# KiCad board panel-74pad-70pin-mezzanine.kicad_pcb
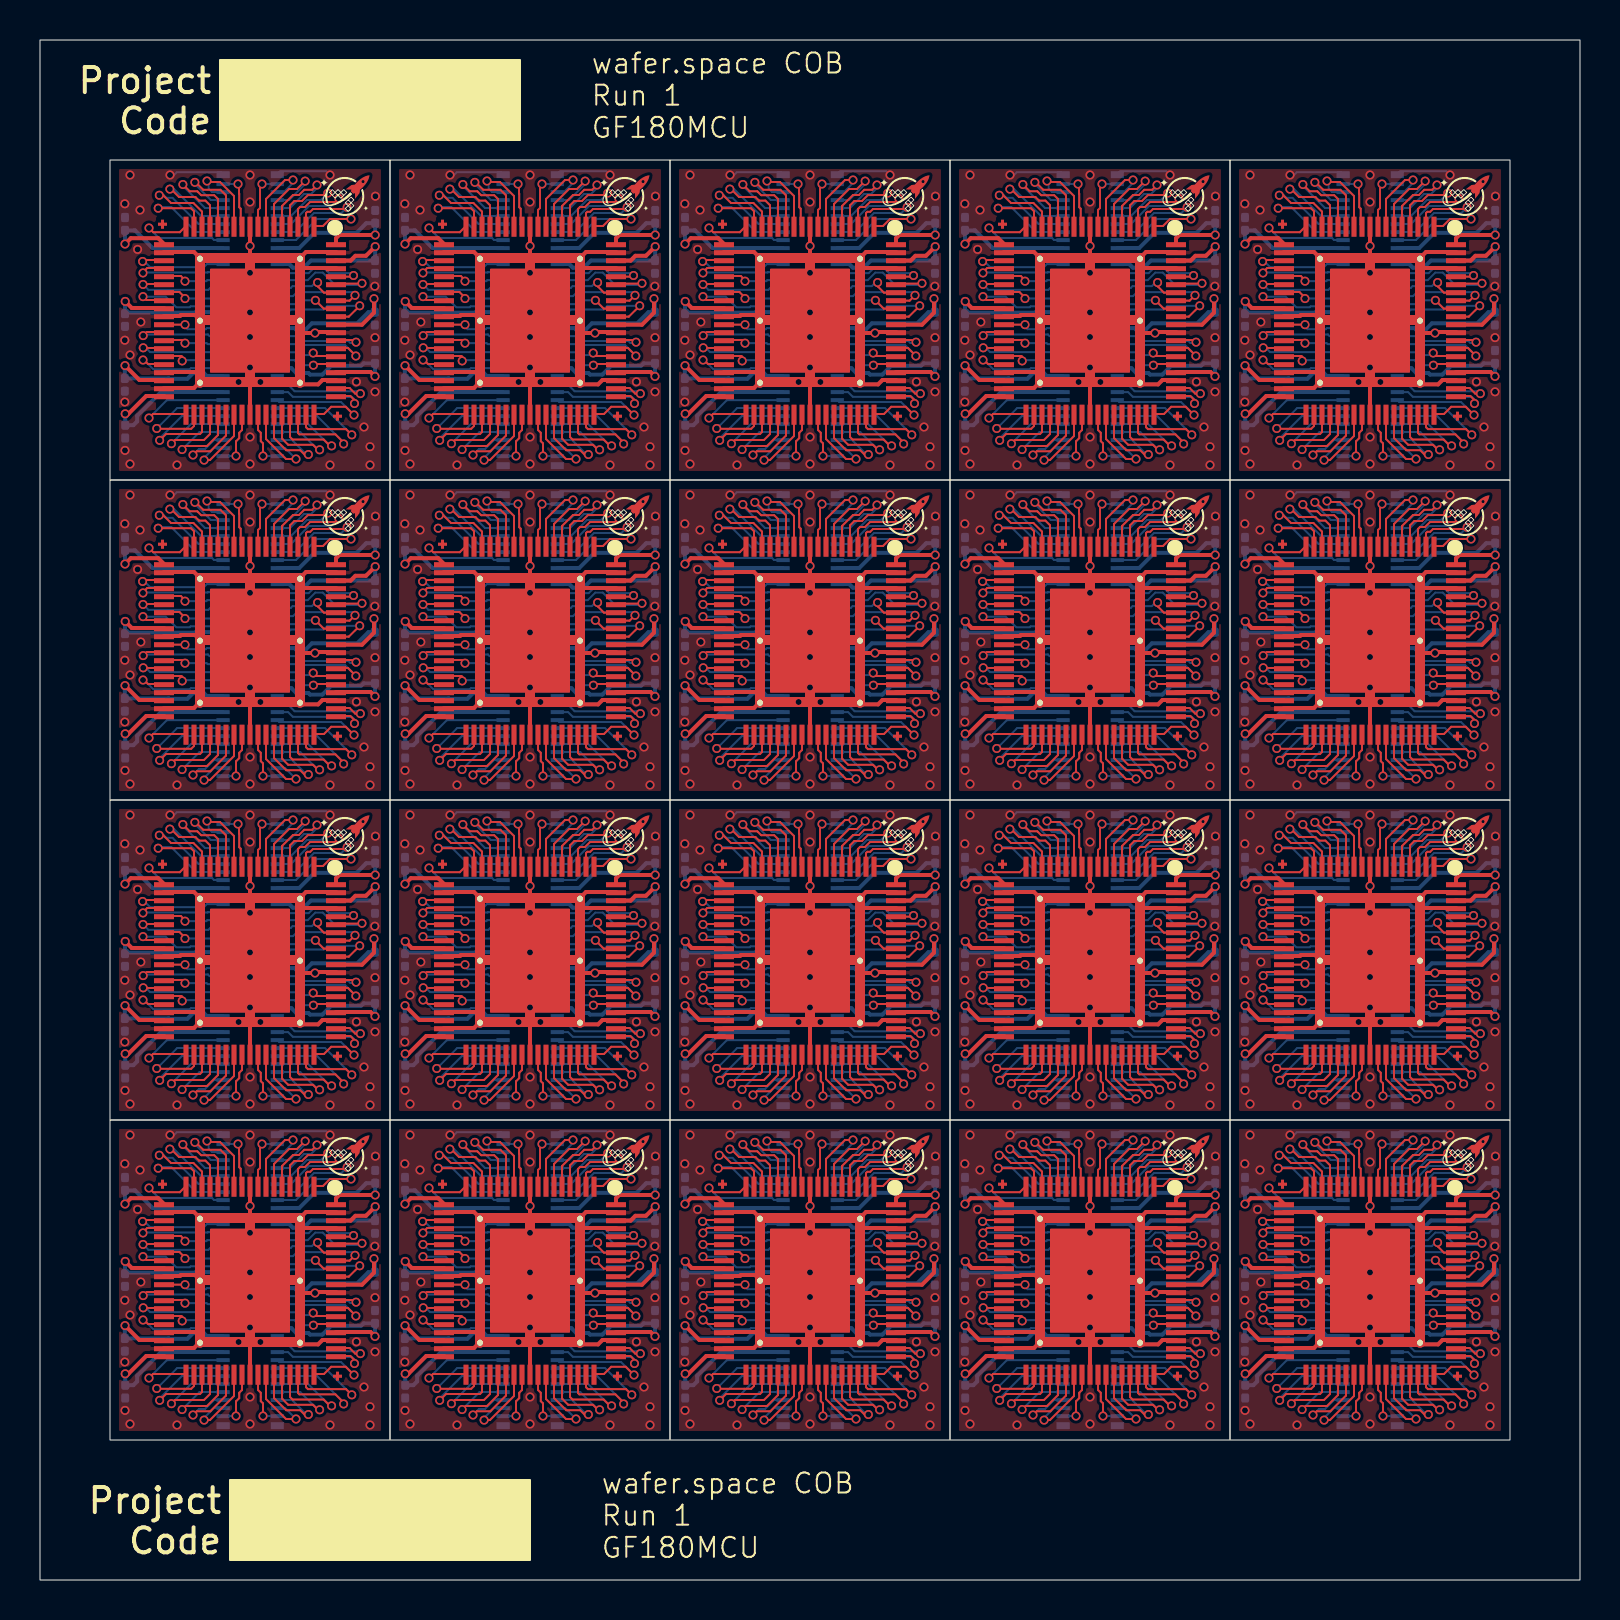
[diagram p0: board, top side]
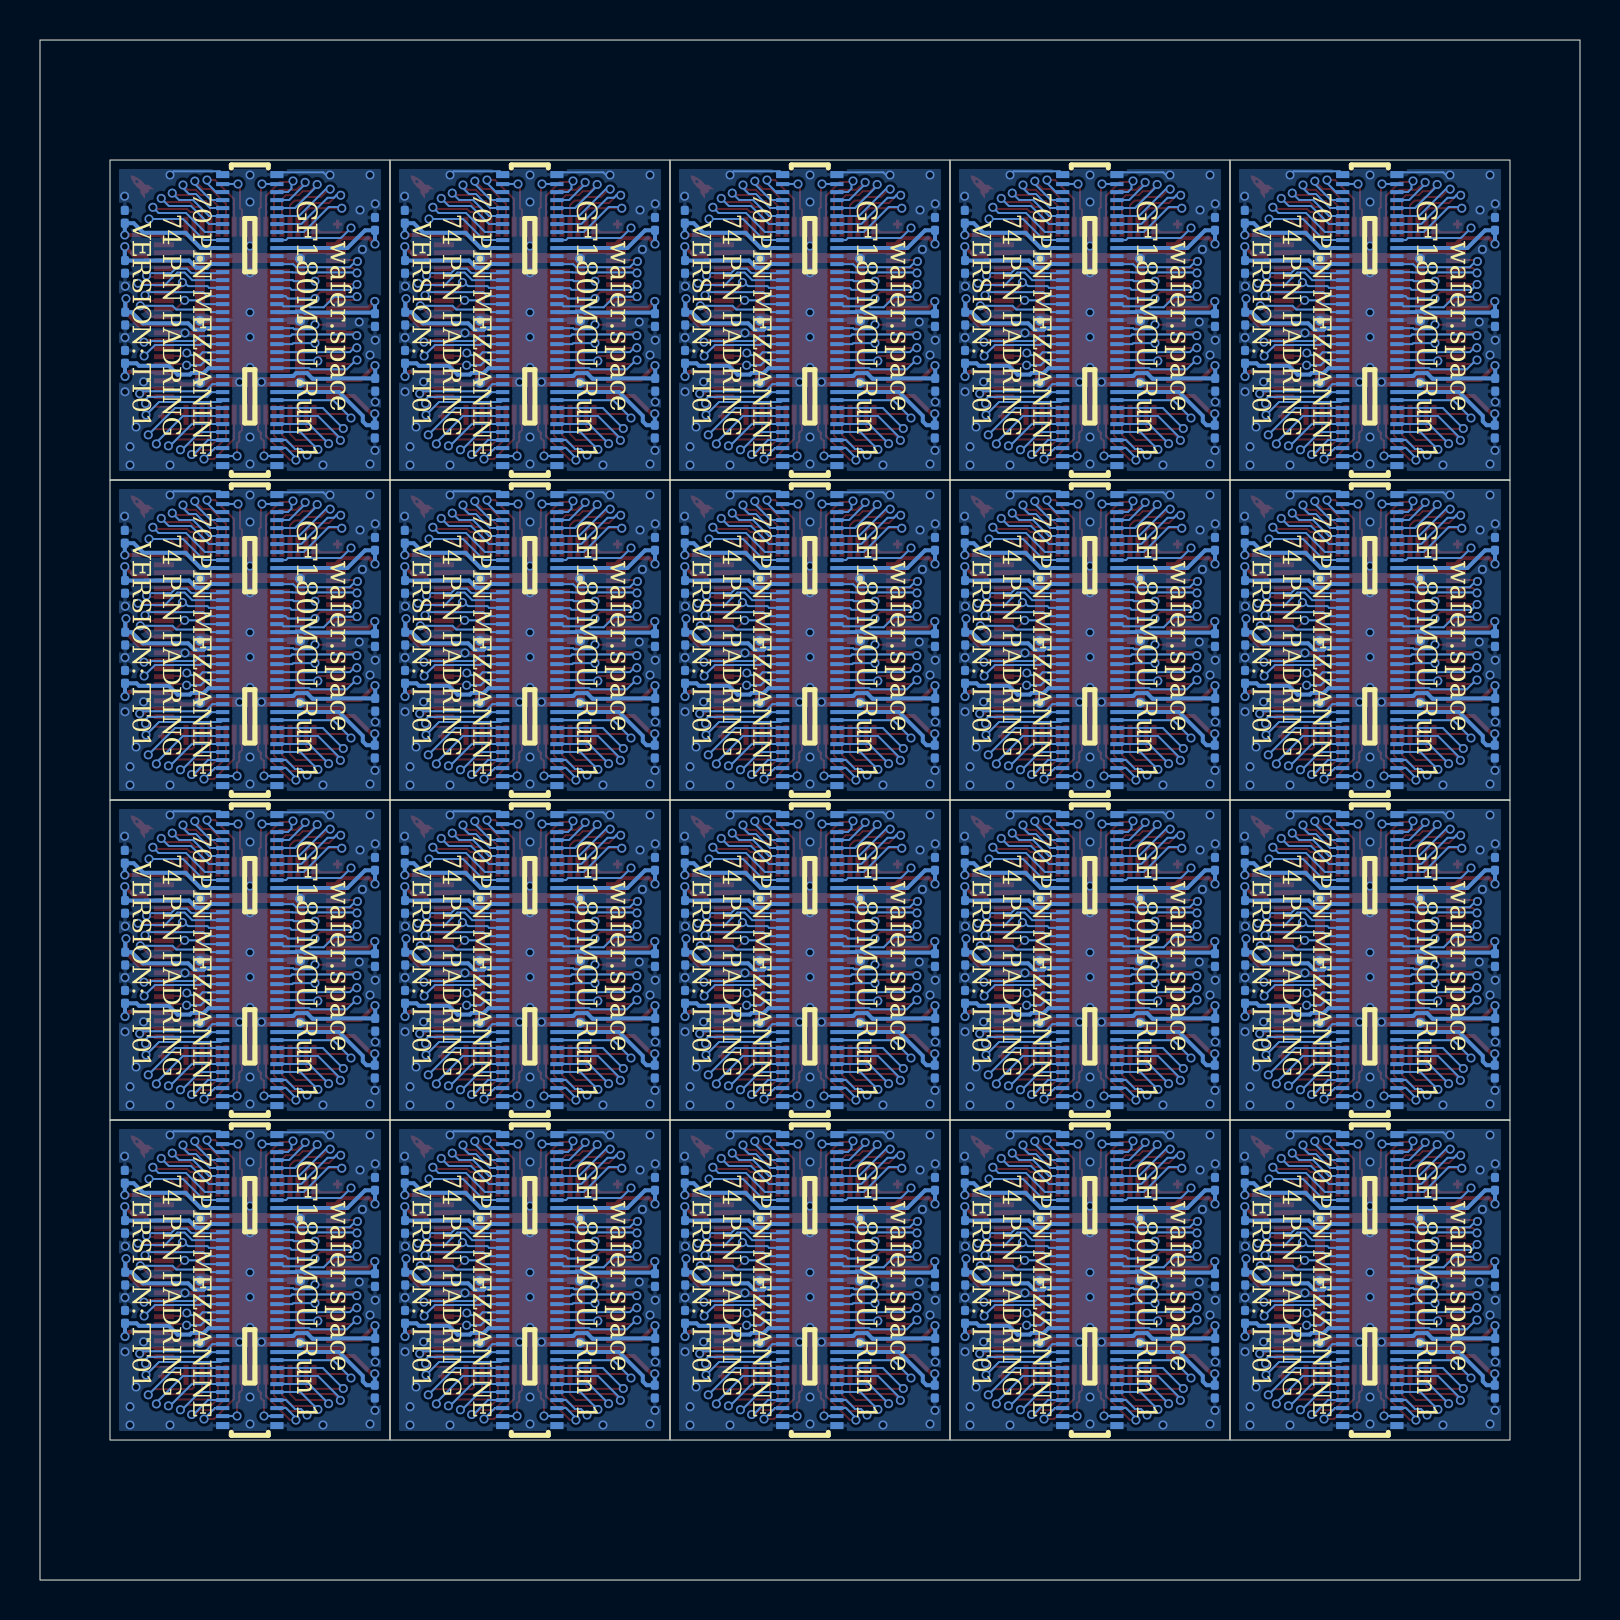
[diagram p1: board, bottom side, seen from below]

Outline 77 x 77 mm; copper layers: Top, In1.Cu, In2.Cu, Bottom. Coordinates in mm from the lower left corner of the outline.
Outline path: rectangle 0,77 77,0 ; rectangle 3.5,71 17.5,55 ; rectangle 3.5,55 17.5,39 ; rectangle 3.5,39 17.5,23 ; rectangle 3.5,23 17.5,7 ; rectangle 17.5,71 31.5,55 ; rectangle 17.5,55 31.5,39 ; rectangle 17.5,39 31.5,23 ; rectangle 17.5,23 31.5,7 ; rectangle 31.5,71 45.5,55 ; rectangle 31.5,55 45.5,39 ; rectangle 31.5,39 45.5,23 ; rectangle 31.5,23 45.5,7 ; rectangle 45.5,71 59.5,55 ; rectangle 45.5,55 59.5,39 ; rectangle 45.5,39 59.5,23 ; rectangle 45.5,23 59.5,7 ; rectangle 59.5,71 73.5,55 ; rectangle 59.5,55 73.5,39 ; rectangle 59.5,39 73.5,23 ; rectangle 59.5,23 73.5,7
Stack: Top 0.0175mm / dielectric 0.196mm FR4 er 4.5 / In1.Cu 0.035mm / dielectric 0.23mm FR4 er 4.5 / In2.Cu 0.035mm / dielectric 0.196mm FR4 er 4.5 / Bottom 0.0175mm

## Placement (name value [footprint] x y rotation side)
C101  1 uF  [C_0201_0603Metric]  4.26 57.42 270 bottom
C102  1 uF  [C_0201_0603Metric]  16.76 68.16 90 bottom
C103  1 uF  [C_0201_0603Metric]  4.24 59.76 270 bottom
C104  1 uF  [C_0201_0603Metric]  16.75 65.66 270 bottom
C105  1 uF  [C_0201_0603Metric]  4.25 63 270 bottom
C106  1 uF  [C_0201_0603Metric]  16.74 63.07 270 bottom
C107  1 uF  [C_0201_0603Metric]  4.25 67.81 90 bottom
C108  1 uF  [C_0201_0603Metric]  16.75 61.16 90 bottom
C109  1 uF  [C_0201_0603Metric]  18.26 57.42 270 bottom
C110  1 uF  [C_0201_0603Metric]  30.76 68.16 90 bottom
C111  1 uF  [C_0201_0603Metric]  18.24 59.76 270 bottom
C112  1 uF  [C_0201_0603Metric]  30.75 65.66 270 bottom
C113  1 uF  [C_0201_0603Metric]  18.25 63 270 bottom
C114  1 uF  [C_0201_0603Metric]  30.74 63.07 270 bottom
C115  1 uF  [C_0201_0603Metric]  18.25 67.81 90 bottom
C116  1 uF  [C_0201_0603Metric]  30.75 61.16 90 bottom
C117  1 uF  [C_0201_0603Metric]  32.26 57.42 270 bottom
C118  1 uF  [C_0201_0603Metric]  44.76 68.16 90 bottom
C119  1 uF  [C_0201_0603Metric]  32.24 59.76 270 bottom
C120  1 uF  [C_0201_0603Metric]  44.75 65.66 270 bottom
C121  1 uF  [C_0201_0603Metric]  32.25 63 270 bottom
C122  1 uF  [C_0201_0603Metric]  44.74 63.07 270 bottom
C123  1 uF  [C_0201_0603Metric]  32.25 67.81 90 bottom
C124  1 uF  [C_0201_0603Metric]  44.75 61.16 90 bottom
C125  1 uF  [C_0201_0603Metric]  46.26 57.42 270 bottom
C126  1 uF  [C_0201_0603Metric]  58.76 68.16 90 bottom
C127  1 uF  [C_0201_0603Metric]  46.24 59.76 270 bottom
C128  1 uF  [C_0201_0603Metric]  58.75 65.66 270 bottom
C129  1 uF  [C_0201_0603Metric]  46.25 63 270 bottom
C130  1 uF  [C_0201_0603Metric]  58.74 63.07 270 bottom
C131  1 uF  [C_0201_0603Metric]  46.25 67.81 90 bottom
C132  1 uF  [C_0201_0603Metric]  58.75 61.16 90 bottom
C133  1 uF  [C_0201_0603Metric]  60.26 57.42 270 bottom
C134  1 uF  [C_0201_0603Metric]  72.76 68.16 90 bottom
C135  1 uF  [C_0201_0603Metric]  60.24 59.76 270 bottom
C136  1 uF  [C_0201_0603Metric]  72.75 65.66 270 bottom
C137  1 uF  [C_0201_0603Metric]  60.25 63 270 bottom
C138  1 uF  [C_0201_0603Metric]  72.74 63.07 270 bottom
C139  1 uF  [C_0201_0603Metric]  60.25 67.81 90 bottom
C140  1 uF  [C_0201_0603Metric]  72.75 61.16 90 bottom
C141  1 uF  [C_0201_0603Metric]  4.26 41.42 270 bottom
C142  1 uF  [C_0201_0603Metric]  16.76 52.16 90 bottom
C143  1 uF  [C_0201_0603Metric]  4.24 43.76 270 bottom
C144  1 uF  [C_0201_0603Metric]  16.75 49.66 270 bottom
C145  1 uF  [C_0201_0603Metric]  4.25 47 270 bottom
C146  1 uF  [C_0201_0603Metric]  16.74 47.07 270 bottom
C147  1 uF  [C_0201_0603Metric]  4.25 51.81 90 bottom
C148  1 uF  [C_0201_0603Metric]  16.75 45.16 90 bottom
C149  1 uF  [C_0201_0603Metric]  18.26 41.42 270 bottom
C150  1 uF  [C_0201_0603Metric]  30.76 52.16 90 bottom
C151  1 uF  [C_0201_0603Metric]  18.24 43.76 270 bottom
C152  1 uF  [C_0201_0603Metric]  30.75 49.66 270 bottom
C153  1 uF  [C_0201_0603Metric]  18.25 47 270 bottom
C154  1 uF  [C_0201_0603Metric]  30.74 47.07 270 bottom
C155  1 uF  [C_0201_0603Metric]  18.25 51.81 90 bottom
C156  1 uF  [C_0201_0603Metric]  30.75 45.16 90 bottom
C157  1 uF  [C_0201_0603Metric]  32.26 41.42 270 bottom
C158  1 uF  [C_0201_0603Metric]  44.76 52.16 90 bottom
C159  1 uF  [C_0201_0603Metric]  32.24 43.76 270 bottom
C160  1 uF  [C_0201_0603Metric]  44.75 49.66 270 bottom
C161  1 uF  [C_0201_0603Metric]  32.25 47 270 bottom
C162  1 uF  [C_0201_0603Metric]  44.74 47.07 270 bottom
C163  1 uF  [C_0201_0603Metric]  32.25 51.81 90 bottom
C164  1 uF  [C_0201_0603Metric]  44.75 45.16 90 bottom
C165  1 uF  [C_0201_0603Metric]  46.26 41.42 270 bottom
C166  1 uF  [C_0201_0603Metric]  58.76 52.16 90 bottom
C167  1 uF  [C_0201_0603Metric]  46.24 43.76 270 bottom
C168  1 uF  [C_0201_0603Metric]  58.75 49.66 270 bottom
C169  1 uF  [C_0201_0603Metric]  46.25 47 270 bottom
C170  1 uF  [C_0201_0603Metric]  58.74 47.07 270 bottom
C171  1 uF  [C_0201_0603Metric]  46.25 51.81 90 bottom
C172  1 uF  [C_0201_0603Metric]  58.75 45.16 90 bottom
C173  1 uF  [C_0201_0603Metric]  60.26 41.42 270 bottom
C174  1 uF  [C_0201_0603Metric]  72.76 52.16 90 bottom
C175  1 uF  [C_0201_0603Metric]  60.24 43.76 270 bottom
C176  1 uF  [C_0201_0603Metric]  72.75 49.66 270 bottom
C177  1 uF  [C_0201_0603Metric]  60.25 47 270 bottom
C178  1 uF  [C_0201_0603Metric]  72.74 47.07 270 bottom
C179  1 uF  [C_0201_0603Metric]  60.25 51.81 90 bottom
C180  1 uF  [C_0201_0603Metric]  72.75 45.16 90 bottom
C181  1 uF  [C_0201_0603Metric]  4.26 25.42 270 bottom
C182  1 uF  [C_0201_0603Metric]  16.76 36.16 90 bottom
C183  1 uF  [C_0201_0603Metric]  4.24 27.76 270 bottom
C184  1 uF  [C_0201_0603Metric]  16.75 33.66 270 bottom
C185  1 uF  [C_0201_0603Metric]  4.25 31 270 bottom
C186  1 uF  [C_0201_0603Metric]  16.74 31.07 270 bottom
C187  1 uF  [C_0201_0603Metric]  4.25 35.81 90 bottom
C188  1 uF  [C_0201_0603Metric]  16.75 29.16 90 bottom
C189  1 uF  [C_0201_0603Metric]  18.26 25.42 270 bottom
C190  1 uF  [C_0201_0603Metric]  30.76 36.16 90 bottom
C191  1 uF  [C_0201_0603Metric]  18.24 27.76 270 bottom
C192  1 uF  [C_0201_0603Metric]  30.75 33.66 270 bottom
C193  1 uF  [C_0201_0603Metric]  18.25 31 270 bottom
C194  1 uF  [C_0201_0603Metric]  30.74 31.07 270 bottom
C195  1 uF  [C_0201_0603Metric]  18.25 35.81 90 bottom
C196  1 uF  [C_0201_0603Metric]  30.75 29.16 90 bottom
C197  1 uF  [C_0201_0603Metric]  32.26 25.42 270 bottom
C198  1 uF  [C_0201_0603Metric]  44.76 36.16 90 bottom
C199  1 uF  [C_0201_0603Metric]  32.24 27.76 270 bottom
C200  1 uF  [C_0201_0603Metric]  44.75 33.66 270 bottom
C201  1 uF  [C_0201_0603Metric]  32.25 31 270 bottom
C202  1 uF  [C_0201_0603Metric]  44.74 31.07 270 bottom
C203  1 uF  [C_0201_0603Metric]  32.25 35.81 90 bottom
C204  1 uF  [C_0201_0603Metric]  44.75 29.16 90 bottom
C205  1 uF  [C_0201_0603Metric]  46.26 25.42 270 bottom
C206  1 uF  [C_0201_0603Metric]  58.76 36.16 90 bottom
C207  1 uF  [C_0201_0603Metric]  46.24 27.76 270 bottom
C208  1 uF  [C_0201_0603Metric]  58.75 33.66 270 bottom
C209  1 uF  [C_0201_0603Metric]  46.25 31 270 bottom
C210  1 uF  [C_0201_0603Metric]  58.74 31.07 270 bottom
C211  1 uF  [C_0201_0603Metric]  46.25 35.81 90 bottom
C212  1 uF  [C_0201_0603Metric]  58.75 29.16 90 bottom
C213  1 uF  [C_0201_0603Metric]  60.26 25.42 270 bottom
C214  1 uF  [C_0201_0603Metric]  72.76 36.16 90 bottom
C215  1 uF  [C_0201_0603Metric]  60.24 27.76 270 bottom
C216  1 uF  [C_0201_0603Metric]  72.75 33.66 270 bottom
C217  1 uF  [C_0201_0603Metric]  60.25 31 270 bottom
C218  1 uF  [C_0201_0603Metric]  72.74 31.07 270 bottom
C219  1 uF  [C_0201_0603Metric]  60.25 35.81 90 bottom
C220  1 uF  [C_0201_0603Metric]  72.75 29.16 90 bottom
C221  1 uF  [C_0201_0603Metric]  4.26 9.42 270 bottom
C222  1 uF  [C_0201_0603Metric]  16.76 20.16 90 bottom
C223  1 uF  [C_0201_0603Metric]  4.24 11.76 270 bottom
C224  1 uF  [C_0201_0603Metric]  16.75 17.66 270 bottom
C225  1 uF  [C_0201_0603Metric]  4.25 15 270 bottom
C226  1 uF  [C_0201_0603Metric]  16.74 15.07 270 bottom
C227  1 uF  [C_0201_0603Metric]  4.25 19.81 90 bottom
C228  1 uF  [C_0201_0603Metric]  16.75 13.16 90 bottom
C229  1 uF  [C_0201_0603Metric]  18.26 9.42 270 bottom
C230  1 uF  [C_0201_0603Metric]  30.76 20.16 90 bottom
C231  1 uF  [C_0201_0603Metric]  18.24 11.76 270 bottom
C232  1 uF  [C_0201_0603Metric]  30.75 17.66 270 bottom
C233  1 uF  [C_0201_0603Metric]  18.25 15 270 bottom
C234  1 uF  [C_0201_0603Metric]  30.74 15.07 270 bottom
C235  1 uF  [C_0201_0603Metric]  18.25 19.81 90 bottom
C236  1 uF  [C_0201_0603Metric]  30.75 13.16 90 bottom
C237  1 uF  [C_0201_0603Metric]  32.26 9.42 270 bottom
C238  1 uF  [C_0201_0603Metric]  44.76 20.16 90 bottom
C239  1 uF  [C_0201_0603Metric]  32.24 11.76 270 bottom
C240  1 uF  [C_0201_0603Metric]  44.75 17.66 270 bottom
C241  1 uF  [C_0201_0603Metric]  32.25 15 270 bottom
C242  1 uF  [C_0201_0603Metric]  44.74 15.07 270 bottom
C243  1 uF  [C_0201_0603Metric]  32.25 19.81 90 bottom
C244  1 uF  [C_0201_0603Metric]  44.75 13.16 90 bottom
C245  1 uF  [C_0201_0603Metric]  46.26 9.42 270 bottom
C246  1 uF  [C_0201_0603Metric]  58.76 20.16 90 bottom
C247  1 uF  [C_0201_0603Metric]  46.24 11.76 270 bottom
C248  1 uF  [C_0201_0603Metric]  58.75 17.66 270 bottom
C249  1 uF  [C_0201_0603Metric]  46.25 15 270 bottom
C250  1 uF  [C_0201_0603Metric]  58.74 15.07 270 bottom
C251  1 uF  [C_0201_0603Metric]  46.25 19.81 90 bottom
C252  1 uF  [C_0201_0603Metric]  58.75 13.16 90 bottom
C253  1 uF  [C_0201_0603Metric]  60.26 9.42 270 bottom
C254  1 uF  [C_0201_0603Metric]  72.76 20.16 90 bottom
C255  1 uF  [C_0201_0603Metric]  60.24 11.76 270 bottom
C256  1 uF  [C_0201_0603Metric]  72.75 17.66 270 bottom
C257  1 uF  [C_0201_0603Metric]  60.25 15 270 bottom
C258  1 uF  [C_0201_0603Metric]  72.74 15.07 270 bottom
C259  1 uF  [C_0201_0603Metric]  60.25 19.81 90 bottom
C260  1 uF  [C_0201_0603Metric]  72.75 13.16 90 bottom
G***  LOGO  [waferspace_pin1_silk]  15.29 69.31 0 top
G***1  LOGO  [waferspace_pin1_silk]  29.29 69.31 0 top
G***2  LOGO  [waferspace_pin1_silk]  43.29 69.31 0 top
G***3  LOGO  [waferspace_pin1_silk]  57.29 69.31 0 top
G***4  LOGO  [waferspace_pin1_silk]  71.29 69.31 0 top
G***5  LOGO  [waferspace_pin1_silk]  15.29 53.31 0 top
G***6  LOGO  [waferspace_pin1_silk]  29.29 53.31 0 top
G***7  LOGO  [waferspace_pin1_silk]  43.29 53.31 0 top
G***8  LOGO  [waferspace_pin1_silk]  57.29 53.31 0 top
G***9  LOGO  [waferspace_pin1_silk]  71.29 53.31 0 top
G***10  LOGO  [waferspace_pin1_silk]  15.29 37.31 0 top
G***11  LOGO  [waferspace_pin1_silk]  29.29 37.31 0 top
G***12  LOGO  [waferspace_pin1_silk]  43.29 37.31 0 top
G***13  LOGO  [waferspace_pin1_silk]  57.29 37.31 0 top
G***14  LOGO  [waferspace_pin1_silk]  71.29 37.31 0 top
G***15  LOGO  [waferspace_pin1_silk]  15.29 21.31 0 top
G***16  LOGO  [waferspace_pin1_silk]  29.29 21.31 0 top
G***17  LOGO  [waferspace_pin1_silk]  43.29 21.31 0 top
G***18  LOGO  [waferspace_pin1_silk]  57.29 21.31 0 top
G***19  LOGO  [waferspace_pin1_silk]  71.29 21.31 0 top
U101  ~  [CONN-SMD_70P-P0.40_HCTL_HC-PBB40C-70DP-0.4V-02]  10.51 62.99 270 bottom
U102  ~  [waferspace_default_padring_v0.2]  10.5 62.97 0 top  (not fitted)
U103  ~  [CONN-SMD_70P-P0.40_HCTL_HC-PBB40C-70DP-0.4V-02]  24.51 62.99 270 bottom
U104  ~  [waferspace_default_padring_v0.2]  24.5 62.97 0 top  (not fitted)
U105  ~  [CONN-SMD_70P-P0.40_HCTL_HC-PBB40C-70DP-0.4V-02]  38.51 62.99 270 bottom
U106  ~  [waferspace_default_padring_v0.2]  38.5 62.97 0 top  (not fitted)
U107  ~  [CONN-SMD_70P-P0.40_HCTL_HC-PBB40C-70DP-0.4V-02]  52.51 62.99 270 bottom
U108  ~  [waferspace_default_padring_v0.2]  52.5 62.97 0 top  (not fitted)
U109  ~  [CONN-SMD_70P-P0.40_HCTL_HC-PBB40C-70DP-0.4V-02]  66.51 62.99 270 bottom
U110  ~  [waferspace_default_padring_v0.2]  66.5 62.97 0 top  (not fitted)
U111  ~  [CONN-SMD_70P-P0.40_HCTL_HC-PBB40C-70DP-0.4V-02]  10.51 47 270 bottom
U112  ~  [waferspace_default_padring_v0.2]  10.5 46.97 0 top  (not fitted)
U113  ~  [CONN-SMD_70P-P0.40_HCTL_HC-PBB40C-70DP-0.4V-02]  24.51 47 270 bottom
U114  ~  [waferspace_default_padring_v0.2]  24.5 46.97 0 top  (not fitted)
U115  ~  [CONN-SMD_70P-P0.40_HCTL_HC-PBB40C-70DP-0.4V-02]  38.51 47 270 bottom
U116  ~  [waferspace_default_padring_v0.2]  38.5 46.97 0 top  (not fitted)
U117  ~  [CONN-SMD_70P-P0.40_HCTL_HC-PBB40C-70DP-0.4V-02]  52.51 47 270 bottom
U118  ~  [waferspace_default_padring_v0.2]  52.5 46.97 0 top  (not fitted)
U119  ~  [CONN-SMD_70P-P0.40_HCTL_HC-PBB40C-70DP-0.4V-02]  66.51 47 270 bottom
U120  ~  [waferspace_default_padring_v0.2]  66.5 46.97 0 top  (not fitted)
U121  ~  [CONN-SMD_70P-P0.40_HCTL_HC-PBB40C-70DP-0.4V-02]  10.51 31 270 bottom
U122  ~  [waferspace_default_padring_v0.2]  10.5 30.97 0 top  (not fitted)
U123  ~  [CONN-SMD_70P-P0.40_HCTL_HC-PBB40C-70DP-0.4V-02]  24.51 31 270 bottom
U124  ~  [waferspace_default_padring_v0.2]  24.5 30.97 0 top  (not fitted)
U125  ~  [CONN-SMD_70P-P0.40_HCTL_HC-PBB40C-70DP-0.4V-02]  38.51 31 270 bottom
U126  ~  [waferspace_default_padring_v0.2]  38.5 30.97 0 top  (not fitted)
U127  ~  [CONN-SMD_70P-P0.40_HCTL_HC-PBB40C-70DP-0.4V-02]  52.51 31 270 bottom
U128  ~  [waferspace_default_padring_v0.2]  52.5 30.97 0 top  (not fitted)
U129  ~  [CONN-SMD_70P-P0.40_HCTL_HC-PBB40C-70DP-0.4V-02]  66.51 31 270 bottom
U130  ~  [waferspace_default_padring_v0.2]  66.5 30.97 0 top  (not fitted)
U131  ~  [CONN-SMD_70P-P0.40_HCTL_HC-PBB40C-70DP-0.4V-02]  10.51 15 270 bottom
U132  ~  [waferspace_default_padring_v0.2]  10.5 14.97 0 top  (not fitted)
U133  ~  [CONN-SMD_70P-P0.40_HCTL_HC-PBB40C-70DP-0.4V-02]  24.51 15 270 bottom
U134  ~  [waferspace_default_padring_v0.2]  24.5 14.97 0 top  (not fitted)
U135  ~  [CONN-SMD_70P-P0.40_HCTL_HC-PBB40C-70DP-0.4V-02]  38.51 15 270 bottom
U136  ~  [waferspace_default_padring_v0.2]  38.5 14.97 0 top  (not fitted)
U137  ~  [CONN-SMD_70P-P0.40_HCTL_HC-PBB40C-70DP-0.4V-02]  52.51 15 270 bottom
U138  ~  [waferspace_default_padring_v0.2]  52.5 14.97 0 top  (not fitted)
U139  ~  [CONN-SMD_70P-P0.40_HCTL_HC-PBB40C-70DP-0.4V-02]  66.51 15 270 bottom
U140  ~  [waferspace_default_padring_v0.2]  66.5 14.97 0 top  (not fitted)

## Library data of the parts
C101-C260 = -: Description: Unpolarized capacitor, small symbol; ki_fp_filters: C_*
